# KiCad board hypjolin.kicad_pcb (continued)
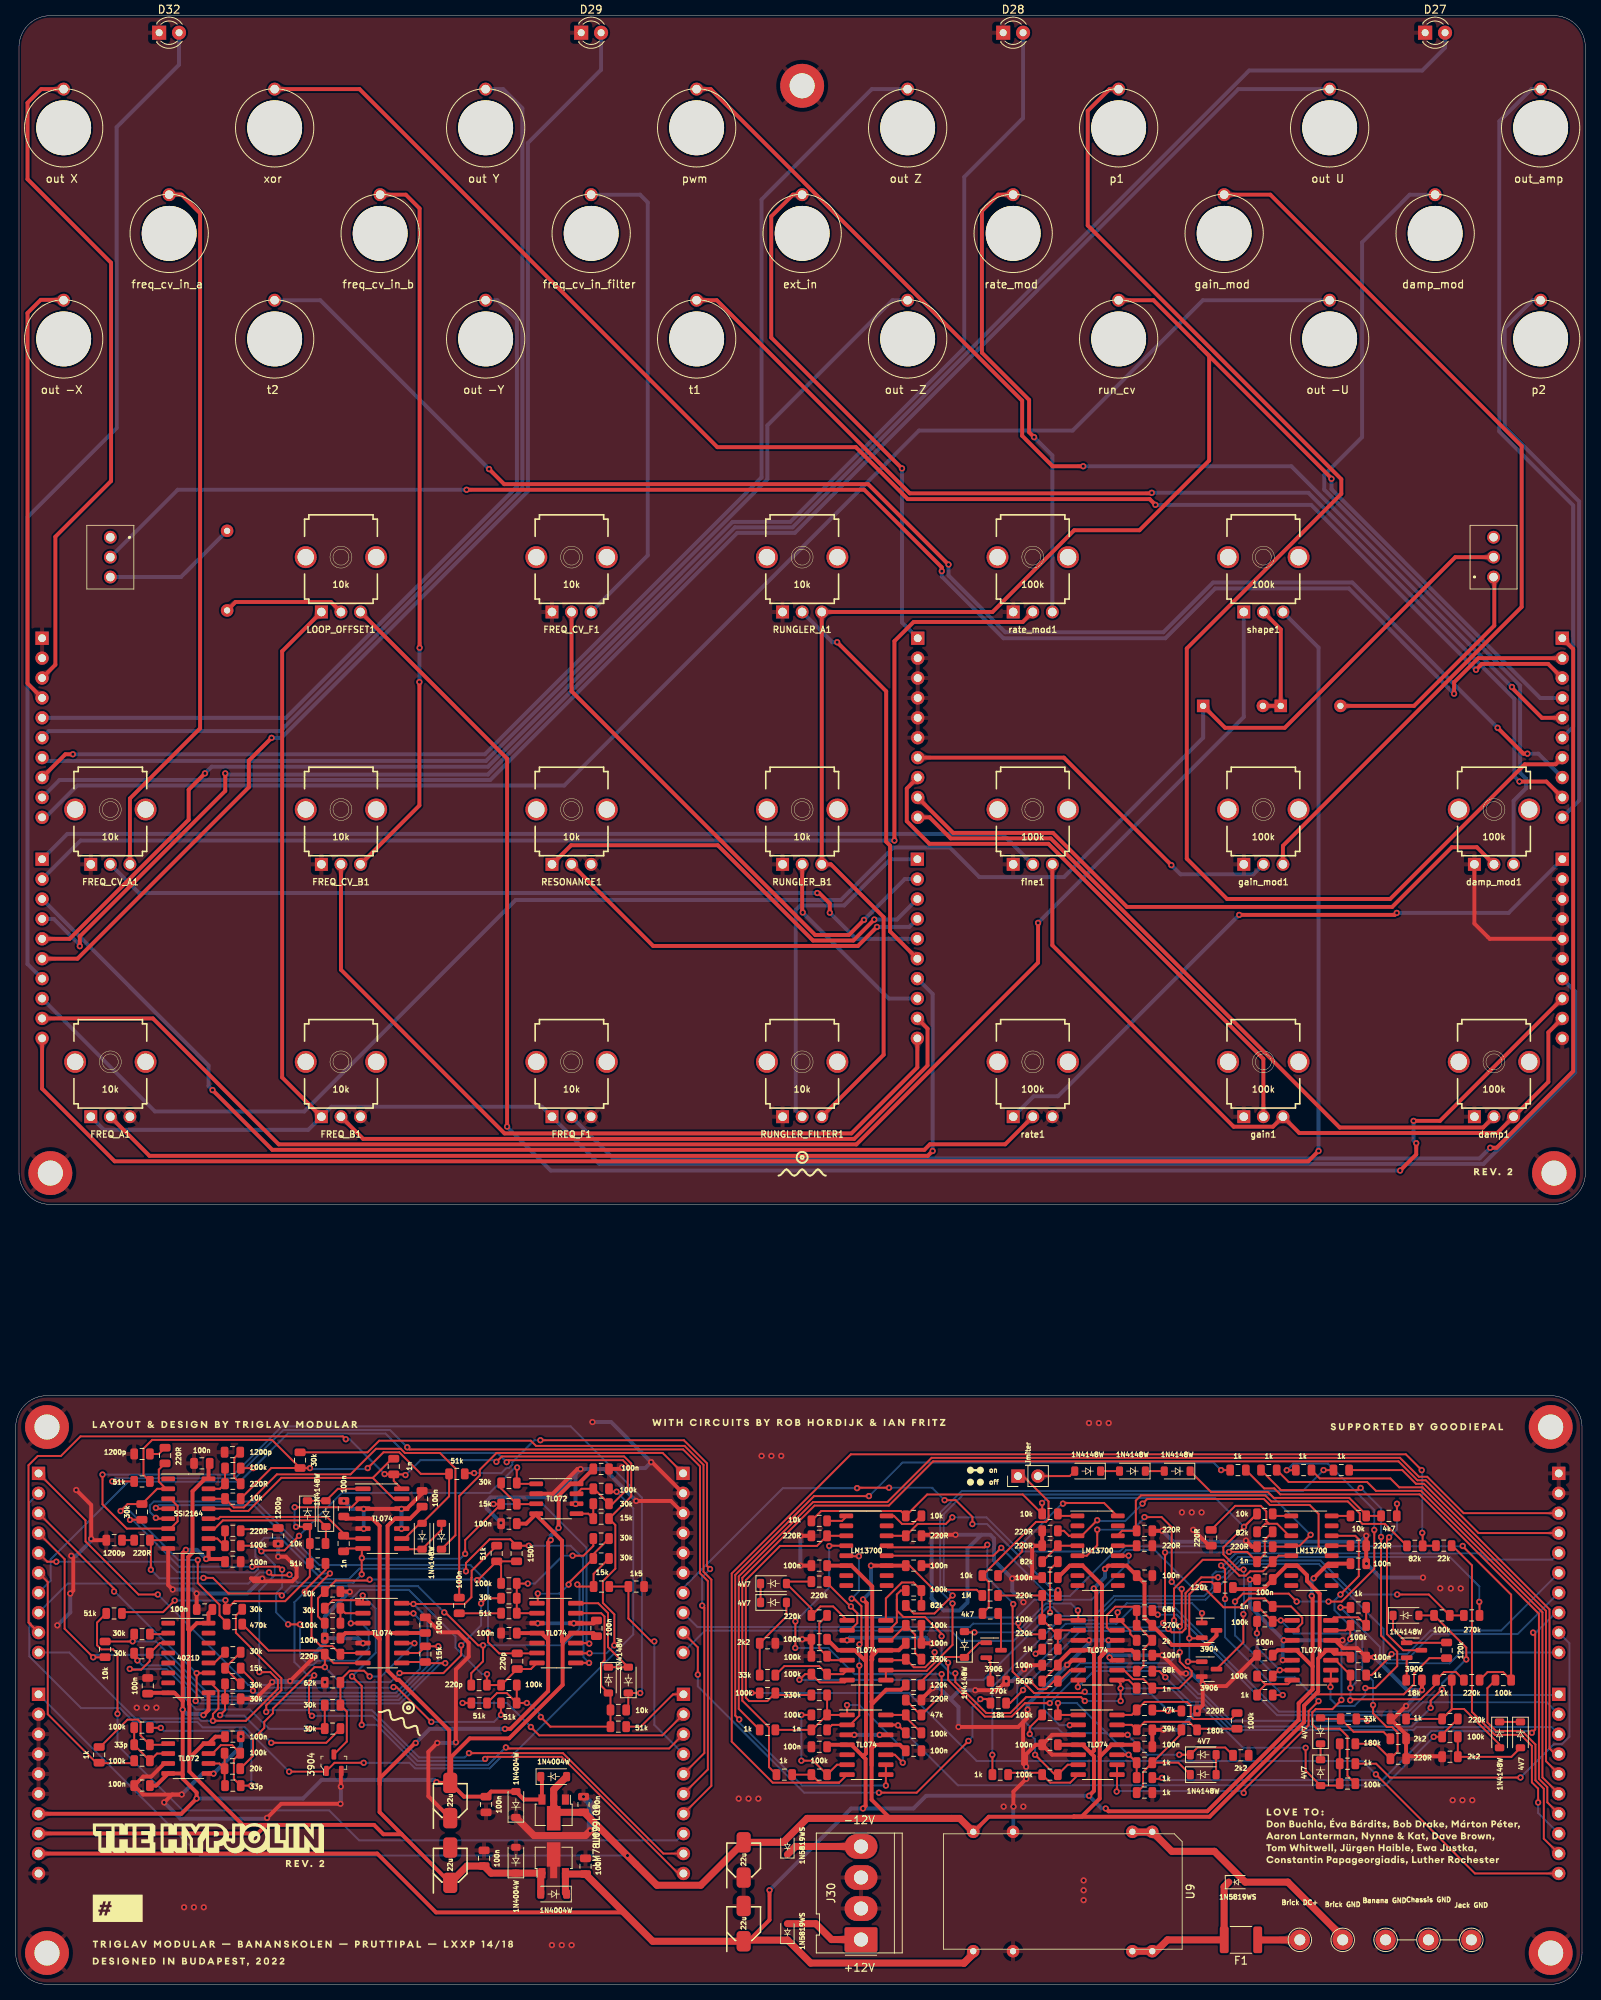
[diagram p0: board, top side]
## Routing (per net, layer and track width the routed paths; a pad name or vN(x,y) marks a point on that pad's centre or on a via; arc(x,y) is an arc through that point) (continued)
/P / freq_cv_b_pot: length 102.9
  Top w0.5: FREQ_CV_B1.2 41.54,129.47 62.42,108.59 106.71,108.59 115.13,117.01 J40.10
/P / freq_f_pot: length 190.5
  Top w0.5: v1(188.28,106.75) 189.09,106.75 198.87,116.53 198.87,170.38 J35.1
  Bottom w0.5: FREQ_F1.2 76.3,105.4 186.92,105.4 v1(188.28,106.75)
/P / gain_mod: length 117.3
  Top w0.5: gain_mod1.3 161.81,145.29 192.29,175.77 192.29,196.3 160.21,228.38 J23.1
/P / gain_mod_pot: length 50.8
  Top w0.5: v1(147.56,142.82) 133.85,156.54 J39.7
  Bottom w0.5: v1(147.56,142.82) 148.74,141.65 158.04,141.65 gain_mod1.2
/P / gain_pot: length 71.6
  Top w0.5: J39.8 113.78,152.6 113.78,148.44 116.68,145.54 131.87,145.54 159.31,118.09 gain1.2
/P / LEDU: length 232.2
  Top w0.5: v1(8.19,132.48) 8.19,133.72 26.76,152.3 v1(26.76,154.53)
  Bottom w0.5: v1(26.76,154.53) 26.91,154.38 60.29,154.38 91.84,185.93 99.2,185.93 157.5,244.22 179.6,244.22 182.51,247.14 D27.2 ; v1(8.19,132.48) 8.19,132.64 4.87,135.96 J37.4
/P / LEDX: length 129.5
  Bottom w0.5: D32.2 20.86,244.96 12.89,236.99 12.89,198.6 1.51,187.22 1.51,130.2 J37.7
/P / LEDY: length 151.1
  Top w0.5: v1(32.68,159.07) 29.77,156.16 29.77,152.76 7.89,130.88 J37.6
  Bottom w0.5: D29.2 74.75,244.32 65.4,234.97 65.4,190.53 33.93,159.07 v1(32.68,159.07)
/P / LEDZ: length 194.6
  Top w0.5: v1(24.17,154.53) 22.09,152.45 22.09,148.62 6.89,133.42 J37.5
  Bottom w0.5: D28.2 128.63,238.16 121.12,230.64 121.12,208.83 98.91,186.63 91.55,186.63 60.3,155.38 25.02,155.38 v1(24.17,154.53)
/P / offset_switch: length 208.4
  Top w0.5: v1(118.25,180.34) 118.25,180.82 108.35,190.73 v1(57.57,190.73) ; v1(183.67,164.7) 183.67,166.16 186.75,169.24 J35.2
  Bottom w0.5: v1(118.25,180.34) 118.25,179.65 126.13,171.78 146.8,171.78 153.15,178.13 170.24,178.13 v1(183.67,164.7) ; SW1.2 20.69,190.73 v1(57.57,190.73)
/P / out -U: length 191.7
  Bottom w0.5: 3.55,148.66 7.86,152.98 70.04,152.98 115.34,198.28 134.96,198.28 151.59,214.91 J15.1
/P / out -X: length 55.1
  Top w0.5: J31.4 1.51,166.02 1.51,213.28 3.2,214.96 6.08,214.96
/P / out -Y: length 99.2
  Bottom w0.5: J31.5 34.5,161.62 64,191.11 64,212.42 61.5,214.91 J20.1
/P / out -Z: length 138.5
  Bottom w0.5: 3.79,156.12 60.05,156.12 95.98,192.04 95.98,198.93 111.96,214.91 J18.1
/P / out U: length 201.8
  Bottom w0.5: J16.1 156.12,241.85 99.49,185.23 92.13,185.23 60.58,153.68 5.59,153.68 J31.9
/P / out X: length 86.8
  Top w0.5: J31.3 5.07,168.4 5.07,184.73 12.18,191.84 12.18,219.69 1.51,230.36 1.51,240.1 3.26,241.85 J22.1
/P / out Y: length 128.8
  Bottom w0.5: J19.1 62.25,241.85 64.7,239.41 64.7,190.82 33.8,159.93 4.22,159.93 J31.6
/P / out Z: length 167.7
  Top w0.5: J31.8 6.34,156.97 v1(7.31,156.97)
  Bottom w0.5: v1(7.31,156.97) 59.91,156.97 95.24,192.3 95.24,227.77 109.32,241.85 J17.1
/P / OUT_AMP: length 90.1
  Bottom w0.5: J35.6 198.87,160.47 198.87,188.73 189.43,198.17 189.43,237.74 193.55,241.85 J8.1
/P / P1: length 179.7
  Top w0.5: J35.7 196.63,155.69 192.69,155.69 175.5,138.5 154.68,138.5 149.53,143.65 149.53,170.47 169.27,190.21 169.27,192.07 136.89,224.45 136.89,239.08 139.66,241.85 J7.1
/P / P2: length 73.3
  Bottom w0.5: J35.10 199.63,151.08 199.63,189.23 190.13,198.73 190.13,211.35 193.69,214.91 J4.1
/P / PWM: length 146.5
  Top w0.5: J9.1 88.75,241.85 128.51,202.09 128.51,197.61 132.4,193.72 v1(136.31,193.72) ; J35.5 194.88,161.62 191.05,165.45 v1(191.05,165.56)
  Bottom w0.5: v1(191.05,165.56) 162.89,193.72 v1(136.31,193.72)
/P / rate_mod: length 59.8
  Top w0.5: J24.1 125.45,228.38 123.37,226.3 123.37,208.22 129.4,202.19 129.4,198.07 v1(130.04,197.43)
  Bottom w0.5: rate_mod1.3 132.37,195.1 v1(130.04,197.43)
/P / rate_mod_pot: length 155.5
  Top w0.5: v1(112.2,145.96) 112.2,171.4 114.66,173.85 128.59,173.85 rate_mod1.2
  Bottom w0.5: v1(112.2,145.96) 8.29,145.96 J37.2
/P / rate_pot: length 143
  Top w0.5: v1(25.14,114.12) 32.77,106.49 116.02,106.49 116.73,107.2 126.35,107.2 rate1.2
  Bottom w0.5: v1(25.14,114.12) 24.63,114.63 24.63,117.24 J37.3
/P / reso_pot_A: length 49.9
  Top w0.5: v1(109.98,134.94) 107.55,132.51 81.4,132.51 RESONANCE1.2
  Bottom w0.5: v1(109.98,134.94) 114.11,134.94 J40.4
/P / reso_pot_B: length 54.9
  Top w0.5: v1(109.63,135.88) 106.96,133.21 101.8,133.21 89.65,145.36 70.92,145.36 RESONANCE1.1
  Bottom w0.5: v1(109.63,135.88) 112.51,135.88 J40.3
/P / run_a_pot: length 50.7
  Top w0.5: J40.6 111.65,134.36 111.65,145.31 111.15,145.81 111.15,165.01 v1(104.89,171.27)
  Bottom w0.5: RUNGLER_A1.2 104.28,171.27 v1(104.89,171.27)
/P / run_b_pot: length 25.4
  Top w0.5: v1(100.5,136.78) 100.42,136.85 RUNGLER_B1.2
  Bottom w0.5: J40.8 111.48,125.8 v1(100.5,136.78)
/P / RUN_CV: length 222.8
  Top w0.5: v1(168.01,192.12) 168.01,192.18 151.1,209.1 ; J10.1 145.28,214.91 151.1,209.1 ; 151.1,209.1 152.39,207.81 152.39,194.45 143.49,185.56 135.15,185.56 124.72,175.13 RUNGLER_A1.3 RUNGLER_B1.3 104.09,142.92 110.83,136.19 110.83,118.62 RUNGLER_FILTER1.3
  Bottom w0.5: v1(168.01,192.12) 168.01,190.8 194.66,164.16 J35.4
/P / run_f_pot: length 44.9
  Bottom w0.5: J40.1 111.69,143.58 105.79,137.68 100.2,137.68 99.6,137.08 99.6,111.54 RUNGLER_FILTER1.2
/P / shape_IN1: length 244.5
  Top w0.5: J37.10 3.37,114.3 12.64,105.03 165.04,105.03 v1(166.36,106.35)
  Bottom w0.5: shape1.3 166.36,170.58 v1(166.36,106.35)
/P / shape_IN2: length 199.1
  Top w0.5: v1(130.55,135.46) 130.55,130.38 107.36,107.19 33.59,107.19 17.52,123.26 J37.9
  Bottom w0.5: shape1.1 156.81,161.72 v1(130.55,135.46)
/P / shape_OUT: length 228.4
  Top w0.5: D30.1 154.42,160.35 162.04,160.35 183.82,182.12 SW2.2
  Bottom w0.5: J37.8 17.78,111.39 36.86,111.39 63.84,138.38 105.38,138.38 112.08,145.07 119.28,145.07 123.05,141.3 133.85,141.3 151.63,159.08 D30.1
/P / T1: length 142.7
  Top w0.5: v1(192.01,153.49) 195.45,153.49 J35.9 ; J5.1 89.52,214.91 114.16,190.27 145,190.27 v1(145.07,190.34)
  Bottom w0.5: v1(192.01,153.49) 191.35,154.15 191.35,164.06 165.07,190.34 v1(145.07,190.34)
/P / T2: length 195.7
  Top w0.5: v1(119.12,181.18) 108.85,191.44 62.37,191.44 v1(60.44,193.37) ; v1(193.03,157.05) 192.52,157.05 v1(189.22,160.35)
  Bottom w0.5: v1(60.44,193.37) 38.9,214.91 J6.1 ; v1(189.22,160.35) 170.68,178.89 152.9,178.89 146.55,172.54 126.35,172.54 119.12,179.78 v1(119.12,181.18) ; J35.8 194.43,157.05 v1(193.03,157.05)
/P / XOR: length 196.2
  Top w0.5: J11.1 43.9,241.85 89.59,196.16 107.28,196.16 113.91,189.53 144.8,189.53 v1(145.53,188.8) ; v1(186.46,167.75) 187.21,168.5 195.67,168.5 J35.3
  Bottom w0.5: v1(145.53,188.8) 165.41,188.8 v1(186.46,167.75)
/PWM: length 96
  Top w0.25: R36.1 63.15,56.79 60.52,56.79 57.5,53.77 v1(57.5,52.7) ; 71.53,41.02 v1(73.22,41.02) ; v1(5.2,53.94) 4.03,53.94 J34.5 ; v1(65.52,55.97) 63.97,55.97
  Bottom w0.25: v1(57.5,52.7) 57.15,53.05 43.89,53.05 42.55,51.71 39.06,51.71 33.79,56.97 31.76,56.97 30.61,55.82 30.61,54.56 30.94,54.22 30.94,53 30.52,52.58 24.29,52.58 24.28,52.59 20.64,52.59 19.31,53.92 5.21,53.92 v1(5.2,53.94) ; v1(65.52,55.97) 70.86,55.97 72.44,54.4 72.44,43.65 72.51,43.58 72.51,41.73 v1(73.22,41.02)
/rate_mod_pot: length 58.6
  Top w0.25: 145.28,47.71 v1(145.82,47.17)
  Bottom w0.25: v1(145.82,47.17) 148.24,47.17 161.07,34.35 178.02,34.35 179.67,36 195.5,36 J36.2
/rate_pot: length 55.5
  Top w0.25: R60.2 146.03,39.97 v1(146.8,39.19)
  Bottom w0.25: J36.3 196.13,32.82 178.86,32.82 178.48,32.45 155.09,32.45 151.48,36.06 149.93,36.06 v1(146.8,39.19)
/reso_pot_A: length 27
  Top w0.25: R39.1 R40.2 78.24,46.68 81.16,43.76 v1(81.55,43.76)
  Bottom w0.25: J41.4 81.55,33.1 v1(81.55,43.76)
/reso_pot_B: length 70.3
  Top w0.25: R48.2 40.49,49.02 43.95,49.02 IC5.1 44.34,49.59 v1(44.31,49.62) ; v1(62.59,30.23) 62.72,30.1 83.44,30.1 J41.3 ; v1(42.95,39.29) 44.19,38.06 v1(44.19,33.11)
  Bottom w0.25: v1(44.31,49.62) 45.96,47.97 45.96,42.31 v1(42.95,39.29) ; v1(44.19,33.11) 46.08,33.11 51.18,28.01 60.33,28.01 62.55,30.23 v1(62.59,30.23)
/run_a_pot: length 126
  Top w0.25: R4.1 12.34,64.18 v1(12.33,64.18) ; v1(50,68.53) 50.27,68.26 85.22,68.26 87.38,66.1 87.38,52.45 88.38,51.45 88.38,27.42 J41.6
  Bottom w0.25: v1(50,68.53) 47.8,70.73 34.17,70.73 28.02,64.58 12.73,64.58 v1(12.33,64.18)
/run_b_pot: length 96.9
  Top w0.25: v1(13,34.53) 13,42.18 12.44,42.75 10.92,42.75 10.39,43.27 10.39,46.16 R6.1
  Bottom w0.25: J41.8 84.42,18.38 43.85,18.38 40.03,22.2 21.33,22.2 13,30.52 v1(13,34.53)
/RUN_CV: length 92.6
  Top w0.25: R35.1 58.22,52.78 58.22,51.9 58.19,51.88 58.19,49.41 57.32,48.54 49.38,48.54 ; J34.4 6.25,54.26 6.25,45.38 v1(9.9,41.73) 11.4,41.73
  Bottom w0.25: v1(9.9,41.73) 10.22,42.05 18.88,42.05 24.19,36.74 48.72,36.74 52.57,40.59 52.57,46.76 v1(50.79,48.54)
/run_f_pot: length 9
  Top w0.25: R42.1 79.81,32.88 83.94,37.01 J41.1
/shape_IN1: length 113.7
  Top w0.25: v1(173.68,26.8) 186.33,14.15 J36.10 ; R127.1 93.97,37.17 v1(93.95,37.19)
  Bottom w0.25: v1(93.95,37.19) 93.97,37.18 114.03,37.18 122.71,28.5 171.97,28.5 v1(173.68,26.8)
/shape_IN2: length 28.3
  Top w0.25: J36.9 195.12,18.59 195.12,24.97 194.05,26.04 194.05,30.61 192.33,32.33 189.01,32.33 187.92,33.43 187.92,37.79 R128.1
/shape_OUT: length 44.3
  Top w0.25: v1(194.4,23.2) 194.4,24.98 193.6,25.77 193.6,30.43 192.19,31.83 188.88,31.83 185.94,34.77 185.94,53.47 183.44,55.97
  Bottom w0.25: J36.8 194.4,21.86 v1(194.4,23.2)
/T1: length 139.1
  Top w0.25: v1(42.15,69.56) 41.79,69.93 8.27,69.93 5.77,67.43 2.82,67.43 1.64,66.25 1.64,46.17 J34.9 1.89,45.91 1.89,46.06 ; v1(47.11,65.11) 48.24,65.11 ; IC2.14 48.27,64.25 C3.2 49.68,65.08 v1(49.77,64.99) ; v1(76.44,43.26) 76.44,43.26 76.44,47.21 74.98,48.67 74.98,51.45 76.57,53.04 76.57,58.61 R13.1 78.6,62.27 78.6,66.45 77.69,67.36 62.07,67.36 v1(61.38,66.67) ; v1(73.27,42.25) 71.54,42.25
  Bottom w0.25: v1(42.15,69.56) 42.66,69.56 v1(47.11,65.11) ; v1(49.77,64.99) 51.68,66.89 61.17,66.89 v1(61.38,66.67) ; v1(76.44,43.26) 75.43,42.25 v1(73.27,42.25)
/T2: length 101.3
  Top w0.25: IC6.10 73.17,43.55 v1(73.24,43.48) ; v1(34.96,52.28) 34.87,52.2 32.72,52.2 v1(32.35,52.56) ; IC2.7 42.24,55.62 C4.2 ; 44.2,55.48 v1(44.2,54.41) 44.19,54.39 v1(44.19,52.32) ; v1(57.39,54.94) 57.39,56.69 R14.1 61.01,61.28 v1(61,61.29)
  Bottom w0.25: v1(57.39,54.94) 56.77,54.32 44.29,54.32 v1(44.2,54.41) ; v1(73.24,43.48) 72.89,43.83 72.89,55.7 67.3,61.29 v1(61,61.29) ; J34.8 6.64,51.14 29.72,51.14 31.14,52.56 v1(32.35,52.56) ; v1(44.19,52.32) 43.12,51.26 35.99,51.26 v1(34.96,52.28)
/V+: length 247.8
  Top w0.5: C30.1 25.51,31.6 IC9.8 ; C15.1 49.29,19.15 ; 49.29,19.15 46.47,21.97 46.47,44.03 ; 49.29,19.15 46.96,19.15 45.76,20.34 29,20.34 22.18,27.16 22.18,28.89 ; 2.95,19.25 30.9,19.25 31.99,20.34 ; 22.18,28.89 24.02,30.72 ; 22.18,28.89 22.18,35.75 22.13,35.81 22.13,45.09 22.18,45.14 ; IC6.4 C25.1 ; 67.99,43.59 67.99,56.37 v1(68.32,56.69) ; 67.99,43.59 67.99,43.95 67.12,44.82 ; 67.99,43.59 67.99,37.42 63.17,32.6 v1(62.47,32.6) ; 46.47,44.03 46.47,58.51 45.56,59.43 IC2.4 42.17,59.43 C17.1 ; 46.47,44.03 45.68,44.82 IC5.4 42.1,44.82 C27.1 ; 22.18,45.14 23.13,46.09 IC1.16 24.63,47.35 C23.1 ; 22.18,45.14 22.04,45.28 22.04,54.55 22.58,55.09 22.58,62.91 24.17,64.51 ; v1(51.08,30.8) 50.99,30.8 46.47,26.28 46.47,25.5 ; v1(69.32,58.24) 69.33,58.25 69.33,62.37 70.83,63.87 IC4.8 ; IC3.16 24.63,66.33 ; 71.85,63.87 C19.1
  Top w0.9: D8.2 67.05,14.04 IC7.1 D9.1 60.71,14.19 C13.1 57.63,15.09 C15.1
  Bottom w0.5: v1(51.08,30.8) 52.88,32.6 v1(62.47,32.6) ; v1(68.32,56.69) 68.32,57.24 v1(69.32,58.24)
/V-: length 224.1
  Top w0.5: C28.2 49.3,44.83 ; 16.97,37.2 IC1.8 20.28,37.2 21.33,36.16 ; IC5.11 47.52,44.82 47.49,44.79 ; C22.2 26.39,54.28 v1(24.32,54.28) 24.63,54.58 IC3.9 ; 55.62,25.83 55.62,29.03 57.97,31.38 63.01,31.38 69.84,38.21 69.84,43.7 ; IC1.9 24.63,35 v1(23.98,34.35) ; v1(21.73,55.45) 21.33,55.04 21.33,36.16 ; 67.2,26.36 IC8.3 64.89,23.58 D10.2 60.71,24.6 C14.2 57.25,23.95 C16.2 53.83,25.71 v1(53.74,25.81) ; 55.36,25.83 55.36,32.42 48.92,38.86 48.66,38.86 47.49,40.04 47.49,44.79 ; 21.33,36.16 21.33,26.76 ; 47.49,44.79 47.49,58.51 48.4,59.43 IC2.11 50.36,59.43 C18.2 ; C26.2 73.77,44.82 IC6.11 ; J32.7 21.16,21.77 v1(23.1,23.71) 23.1,24.47 21.33,26.25 21.33,26.76 ; 69.84,43.7 69.75,43.79 69.75,56.61 66.47,59.9 IC4.4 65.2,58.79 C20.2 ; 69.84,43.7 70.96,44.82 ; C31.2 17.93,25.36 IC9.4 21.18,26.91 21.33,26.76
  Bottom w0.5: v1(53.74,25.81) 53.46,26.08 39.06,26.08 36.69,23.71 v1(23.1,23.71) ; v1(23.98,34.35) 23.84,34.5 21.88,34.5 v1(21.33,35.05) ; v1(21.73,55.45) 23.16,55.45 24.32,54.28 v1(24.32,54.28)
/XOR: length 73.4
  Top w0.25: J34.3 12.56,50.48 v1(12.56,50.13) ; v1(22.98,36.16) 23.1,36.16 v1(23.1,39.71) 24.6,39.71 ; 52.47,40.98 v1(54.85,40.98) ; R22.1 49.41,41.13
  Bottom w0.25: v1(22.98,36.16) 23.29,35.84 49.09,35.84 54.23,40.98 v1(54.85,40.98) ; v1(12.56,50.13) 12.65,50.13 23.06,39.71 v1(23.1,39.71)
P / GND: length 19.6
  Top w0.5: J33.5 188.21,133.42 186.26,135.37 damp_mod1.1
P / V+: length 222.6
  Top w0.5: LOOP_OFFSET1.3 62.75,156.41 v1(62.75,109.46) ; J33.8 181.87,110.19 v1(178.49,110.19) ; v1(176.77,103.85) 178.83,105.9 v1(178.83,107.34)
  Bottom w0.5: v1(178.83,107.34) 178.49,107.68 v1(178.49,110.19) ; v1(62.75,109.46) 62.75,109.42 68.32,103.85 v1(176.77,103.85)
P / V-: length 280.5
  Top w0.5: LOOP_OFFSET1.1 34.03,170.12 34.03,115.73 FREQ_B1.1
  Bottom w0.5: J33.7 199.13,126.69 199.13,116.4 187.42,104.7 74.5,104.7 FREQ_F1.1 67.21,111.99 40.31,111.99 FREQ_B1.1 37.36,109.04 11.27,109.04 FREQ_A1.1
P / VCC: length 96.2
  Top w0.5: fine1.3 132.37,132.59 155.52,109.45 160.54,109.45 gain1.3 163.89,108.64 189.18,108.64 damp1.3 195.7,115.17 195.7,121.49 J33.9
P / VEE: length 83.7
  Top w0.5: v1(156.23,136.47) 176.09,136.47 v1(176.34,136.73)
  Bottom w0.5: v1(156.23,136.47) 133.08,113.33 129.98,113.33 rate1.1 ; v1(176.34,136.73) 190.62,136.73 J33.1
Net-(C1-Pad1): length 4.7
  Top w0.25: C1.1 27.92,67.15 27.92,64.69 R9.1
Net-(C2-Pad1): length 4.4
  Top w0.25: 28.94,58.08 33.36,58.08
Net-(C3-Pad1): length 31.1
  Top w0.25: 45.6,64.63 48.26,61.97 IC2.13 ; 45.6,64.63 48.05,67.08 ; 45.6,64.63 33.92,64.63 29.71,60.41 27.55,60.41 27.27,60.7 IC3.13
Net-(C4-Pad1): length 20.3
  Top w0.25: IC2.6 42.24,56.89 ; IC3.12 25.9,59.43 26.12,59.65 39.75,59.65 41.88,57.53
Net-(C5-Pad2): length 5.3
  Top w0.25: C5.2 61.97,47.35
Net-(C6-Pad2): length 1.6
  Top w0.25: R37.1 C6.2
Net-(C7-Pad1): length 84.7
  Top w0.25: v1(23.98,51.87) 25.18,51.87 27.18,49.87 33.73,49.87 v1(33.98,49.62) ; v1(71.71,51.03) 71.98,50.76 R39.2 73.79,52.38 R34.2 ; v1(54.73,47.46) 54.85,47.46 59.05,43.26 v1(59.68,43.26) 59.68,41.22 58.17,39.72 C7.1 ; 17.26,56.55 v1(17.26,52.91) ; IC3.7 19.27,56.68 R37.2
  Bottom w0.25: v1(33.98,49.62) 35.18,50.81 51.38,50.81 v1(54.73,47.46) ; v1(23.98,51.87) 23.93,51.82 18.35,51.82 v1(17.26,52.91) ; v1(59.68,43.26) 69.89,43.26 71.99,45.37 71.99,50.75 v1(71.71,51.03)
Net-(C7-Pad2): length 88.9
  Top w0.25: v1(30.22,53.3) 33.64,53.3 v1(34.03,52.92) ; v1(34.79,45.94) v1(36.31,45.94) ; v1(42.79,46.06) 42.82,46.09 IC5.3 ; IC6.7 65.79,40.23 C8.2 61.99,38.19 ; v1(14.59,59.27) 14.61,59.29 R47.1 ; v1(60.19,39.59) 60.17,39.57 C7.2 R45.2
  Bottom w0.25: v1(30.22,53.3) 20.88,53.3 14.91,59.27 v1(14.59,59.27) ; v1(36.31,45.94) 36.31,41.86 37.41,40.77 38.01,40.77 38.54,41.3 43.53,41.3 45.08,42.84 45.08,45.18 44.19,46.06 v1(42.79,46.06) 42.79,49.12 44.01,50.34 50.19,50.34 56.16,44.37 56.16,42.97 59.54,39.59 v1(60.19,39.59) ; v1(34.03,52.92) 34.03,50.68 33.26,49.92 33.26,47.46 v1(34.79,45.94)
Net-(C8-Pad1): length 65.6
  Top w0.25: 66.52,42.23 C8.1 61.73,42.23 60.31,43.65 v1(60.31,44.92) ; IC3.5 18,59.43 v1(17.9,59.53)
  Bottom w0.25: v1(17.9,59.53) 17.13,60.29 17.13,61.12 17.63,61.62 30.67,61.62 38.78,53.5 58.07,53.5 60.31,51.26 v1(60.31,44.92)
Net-(C9-Pad2): length 2.3
  Top w0.25: R49.1 18.28,67.68 C9.2
Net-(C10-Pad1): length 44
  Top w0.25: IC5.6 41.62,42.28 ; v1(17.9,60.79) 18,60.7 IC3.4 ; v1(40.12,52.43) 37.78,50.09 37.78,44.34 38.96,43.16 40.43,43.16 C10.1
  Bottom w0.25: v1(40.12,52.43) 39.09,52.43 30.38,61.15 18.25,61.15 v1(17.9,60.79)
Net-(C29-Pad1): length 12
  Top w0.25: 19.33,30.57 C29.1 15.95,31.76 15.95,33.45 15.61,33.78 14.28,33.78 11.04,30.54
Net-(C29-Pad2): length 7.7
  Top w0.25: R63.2 C29.2 ; IC9.2 18.05,29.45 R64.1 15.13,30.54
Net-(C32-Pad1): length 6.4
  Top w0.25: R66.2 26.02,28.18 IC9.6 ; R65.1 26.68,25.41
Net-(C32-Pad2): length 30.1
  Top w0.25: v1(18.53,32.73) 17.16,32.73 ; 25.12,29.45 26.2,30.52 27.65,30.52 R65.2 27.86,28.68 27.86,26.22 C32.2 30.08,25.36 v1(30.09,25.36)
  Bottom w0.25: v1(30.09,25.36) 30.09,31.33 29.07,32.35 18.91,32.35 v1(18.53,32.73)
Net-(C35-Pad1): length 82.2
  Top w0.25: v1(136.51,36.16) 136.01,36.66 129.03,36.66 126.99,34.62 123.93,34.62 119.98,38.57 v1(119.98,39.69) ; 168.81,25.36 D21.2 164.71,27.27 v1(164.71,30.19) ; R107.2 R109.2 R104.2 ; R92.2 114.68,40.47 116.13,40.47 117.34,41.67 v1(117.34,42.38) ; v1(141.09,36.16) 141.09,37.77 v1(141.08,37.77) 141.08,38.36 140.62,38.82 142.12,38.82 C35.1 ; 111.11,41.36 113.53,41.36
  Bottom w0.25: v1(141.08,37.77) 147.52,37.77 149.68,35.61 151.29,35.61 156.72,30.19 v1(164.71,30.19) ; v1(136.51,36.16) v1(141.09,36.16) ; v1(117.34,42.38) 117.34,41.75 119.4,39.69 v1(119.98,39.69)
Net-(C35-Pad2): length 47.5
  Top w0.25: v1(144.13,59.62) 146.32,59.62 147.61,58.34 v1(147.61,51.37) ; v1(148.63,45.66) 148.89,45.92 148.89,50.45 v1(148.88,50.46) ; 135.68,54.7 136.77,54.7 138.1,56.03 v1(138.1,58.03) ; v1(148.63,42.38) 148.63,41.19 149.43,40.4 149.73,40.4 150.15,39.97 150.15,39.37 148.59,37.81 C35.2 144,38.94 142.66,38.94 141.5,40.09 U3.9
  Bottom w0.25: v1(147.61,51.37) 148.52,50.46 v1(148.88,50.46) ; v1(138.1,58.03) 142.63,58.03 144.13,59.52 v1(144.13,59.62) ; v1(148.63,45.66) 148.63,45.66 v1(148.63,42.38)
Net-(C36-Pad1): length 86.4
  Top w0.25: v1(154.93,55.18) 157.26,55.18 C36.1 159.5,54.94 159.5,56.75 R112.2 ; v1(146.52,46.1) 146.76,46.34 v1(146.76,55.12) ; v1(142.1,29.3) U6.10 142.12,29.3 R90.1 R129.1 ; U6.1 R130.2 133.07,35.87 v1(133.09,35.89)
  Bottom w0.25: v1(146.52,46.1) 145.98,45.57 135.17,45.57 127.89,38.29 127.89,34.48 129.71,32.66 133.06,32.66 133.67,32.05 139.35,32.05 ; 139.35,32.05 135.51,35.89 v1(133.09,35.89) ; 139.35,32.05 v1(142.1,29.3) ; v1(154.93,55.18) 154.87,55.12 146.76,55.12 v1(146.76,55.12)
Net-(C36-Pad2): length 52.7
  Top w0.25: v1(147.91,46.44) 147.91,50.51 151.57,54.17 154.22,54.17 156.23,52.16 157.08,52.16 157.63,52.71 159.27,52.71 C36.2 161.26,54.7 162.98,54.7 ; U6.2 134.62,33.11 v1(134.58,33.07)
  Bottom w0.25: v1(147.91,46.44) 147.91,41.64 147.25,40.99 135.91,40.99 131.29,36.37 131.29,35.06 133.29,33.07 v1(134.58,33.07)
Net-(C37-Pad1): length 44.5
  Top w0.25: R137.1 168.54,41.36 ; v1(170.42,37.81) 170.42,39.44 ; U7.1 160.63,46.44 ; R138.2 158.6,48.22 ; R124.1 183.9,39.85 182.39,39.85 R98.1 ; v1(170.4,36.25) 170.53,36.37 179.41,36.37 181.36,38.32
  Bottom w0.25: v1(161.53,46.44) 163.2,44.78 170.71,44.78 171.13,44.36 171.13,38.52 v1(170.42,37.81) 170.42,36.27 v1(170.4,36.25)
Net-(C37-Pad2): length 65.1
  Top w0.25: v1(125.85,55.7) 124.84,54.7 111.11,54.7 ; 163.36,45.17 164.28,46.1 164.28,46.79 162.85,48.22 C37.2 159.48,49.25 157.49,49.25 156.37,48.12 154.23,48.12 v1(151.73,50.62)
  Bottom w0.25: v1(151.73,50.62) 150.23,50.62 145.43,55.42 141.8,55.42 141.15,54.77 139.82,54.77 134.61,49.55 131.99,49.55 v1(125.85,55.7)
Net-(C38-Pad1): length 27.5
  Top w0.25: 101.7,32.47 R146.2 ; R146.2 U8.1 106.16,35.63 v1(106.15,35.64) ; R146.2 R143.1 ; C38.1 R145.1 ; U8.10 112.26,29.3 v1(113.27,28.28)
  Bottom w0.25: v1(113.27,28.28) 113.27,30.09 107.73,35.64 v1(106.15,35.64)
Net-(C38-Pad2): length 27.6
  Top w0.25: v1(107.74,43.38) 107.99,43.63 107.99,48.26 106.91,49.34 106.87,49.34 v1(106.74,49.22) ; v1(107.67,54.63) 106.23,54.63 ; 106.54,33.11 107.72,34.29 v1(107.72,40.68) ; U8.2 104.24,33.11 C38.2
  Bottom w0.25: v1(107.67,54.63) 107.67,50.15 v1(106.74,49.22) ; v1(107.72,40.68) 107.72,43.37 v1(107.74,43.38)
Net-(D1-Pad1): length 6.8
  Top w0.25: 49.38,55.53 D1.1 54.38,58.01 D3.2
Net-(D1-Pad2): length 67.2
  Top w0.25: v1(44.95,65.88) 46.96,67.89 48.98,67.89 51.73,65.14 R1.2 55.34,62.27 D1.2 ; 49.67,56.89 51.61,58.83 ; R7.1 32.64,65.89 R3.2 32.73,69.48 17.43,69.48 16.32,68.37 16.32,64.99 R4.2 ; v1(37.58,65.88) 36.33,65.88
  Bottom w0.25: v1(37.58,65.88) 37.71,65.75 44.82,65.75 v1(44.95,65.88)
Net-(D2-Pad1): length 7.7
  Top w0.25: D2.1 D4.2 41.14,63.24 IC2.1
Net-(D2-Pad2): length 45.8
  Top w0.25: 37.56,58.11 R8.1 R2.2 37.56,52.05 34.41,48.89 27.96,48.89 R5.2 ; v1(20.31,48.98) 18.82,47.5 13.87,47.5 ; v1(35.62,60.88) 35.62,60.88 42.88,60.88 43.96,61.97 ; 26.79,48.01 v1(26.79,49.02) ; v1(35.8,58.38) 37.23,58.38
  Bottom w0.25: v1(20.31,48.98) 26.75,48.98 v1(26.79,49.02) ; v1(35.62,60.88) 35.62,58.56 v1(35.8,58.38)
Net-(D3-Pad1): length 47.2
  Top w0.25: R7.2 27.85,60.86 29.14,60.86 33.36,65.08 42.75,65.08 46.02,68.34 49.17,68.34 49.7,67.81 54.18,67.81 56.15,65.83 56.15,57.31 D3.1 ; IC3.14 26.72,61.97
Net-(D4-Pad1): length 17.9
  Top w0.25: 39.61,56.3 D4.1 38.82,59.2 26.46,59.2 25.42,58.16 IC3.11
Net-(D5-Pad1): length 15.1
  Top w0.25: IC6.14 74.38,48.63 75.63,47.38 75.63,43.04 78.2,40.47 ; 75.68,40.47 78.22,40.47
Net-(D5-Pad2): length 38.7
  Top w0.25: D5.2 74.76,38.1 74.76,40.93 75.18,41.35 75.18,46.94 74.77,47.36 IC6.13 ; R41.2 61.45,37.16 62.7,37.16 R43.2 v1(65.27,35.9) ; R45.1 63.98,35.92 ; v1(67.05,34.11) 68.27,32.88 R42.2 R46.1 75.95,36.9
  Bottom w0.25: v1(65.27,35.9) 65.52,35.9 67.05,34.38 v1(67.05,34.11)
Net-(D12-Pad2): length 10.2
  Top w0.9: D12.2 102.15,7.74 104.18,5.71 J30.1
Net-(D13-Pad1): length 9.8
  Top w0.9: D13.1 99.57,17.59 J30.4
Net-(D14-Pad1): length 10.3
  Top w0.25: D14.1 123.02,43.58 123.94,43.58 ; 121.09,41.78 118.76,41.78 115.65,38.67
Net-(D14-Pad2): length 20
  Top w0.25: R68.1 135.55,46.57 ; U3.1 135.68,47.67 v1(135.63,47.72) ; v1(122.42,44.92) 121.24,44.92
  Bottom w0.25: v1(135.63,47.72) 134.74,48.6 131.55,48.6 127.86,44.92 v1(122.42,44.92)
Net-(D15-Pad1): length 2.4
  Top w0.25: D17.1 D15.1
Net-(D15-Pad2): length 14.1
  Top w0.25: D15.2 101.61,47.95 R83.1 102.75,48.22 104.38,48.22 U4.1 ; R67.1 98.67,51.4
Net-(D16-Pad1): length 9.3
  Top w0.25: D16.1 175.87,45.33 177.61,43.58 182.67,43.58
Net-(D16-Pad2): length 68.1
  Top w0.25: 135.68,38.82 135.68,37.98 v1(135.63,37.94) ; v1(180.67,35.27) 180.67,36.21 v1(182.11,37.64) ; v1(185.22,41.46) 185.22,42.97 R72.1 D16.2
  Bottom w0.25: v1(135.63,37.94) 137.68,39.99 147.42,39.99 150.89,36.51 151.67,36.51 155.28,32.9 178.3,32.9 v1(180.67,35.27) ; v1(182.11,37.64) 182.11,38.37 185.19,41.46 v1(185.22,41.46)
Net-(D17-Pad2): length 10.7
  Top w0.25: D17.2 98.41,46.94 R78.1 R80.1
Net-(D18-Pad1): length 2.4
  Top w0.25: D18.1 D19.2
Net-(D18-Pad2): length 5
  Top w0.25: J14.2 134.59,64.86 D18.2
Net-(D19-Pad1): length 2.4
  Top w0.25: D19.1 D20.2
Net-(D20-Pad1): length 26.7
  Top w0.25: D20.1 152.62,62.84 159.87,62.84 160.64,62.08 170.28,62.08 172.44,59.92 ; R81.1 R97.2
Net-(D21-Pad1): length 2
  Top w0.25: D22.1 D21.1
Net-(D22-Pad2): length 9.8
  Top w0.25: 166.74,33.87 R93.2 170.83,32.23 174.64,32.23 R88.1
Net-(D23-Pad1): length 15.4
  Top w0.25: R90.2 148.85,32 ; R90.2 148.45,28.28 D23.1 ; R90.2 143.95,27.1 143.95,25.29 R91.1
Net-(D23-Pad2): length 2.5
  Top w0.25: D23.2 D24.2
Net-(D24-Pad1): length 16.7
  Top w0.25: v1(141.98,31.84) U6.12 ; v1(148.58,29.3) D24.1 150.9,30.22 154.44,30.22 R101.1
  Bottom w0.25: v1(148.58,29.3) 144.52,29.3 v1(141.98,31.84)
Net-(D25-Pad1): length 2.7
  Top w0.25: D25.1 D26.1
Net-(D25-Pad2): length 20.2
  Top w0.25: R98.2 183.36,35.09 R115.1 ; R115.1 183.41,35.14 184.93,35.14 189.47,30.6 D25.2 ; R115.1 R99.1
Net-(D26-Pad2): length 11
  Top w0.25: R110.2 R114.1 ; 184.15,29.03 190.98,29.03 D26.2
Net-(D30-Pad2): length 15.2
  Top w0.5: shape1.2 161.53,172.91 D31.1 D30.2
Net-(D31-Pad2): length 30
  Top w0.5: D31.2 178.55,163.14 188.8,173.39 188.8,179.49
Net-(D33-Pad1): length 19.9
  Top w0.9: F1.2 147.07,5.68 145.62,4.23 U9.22 ; D33.1 154.3,12.45 154.3,5.69
Net-(D33-Pad2): length 32.9
  Top w0.9: 142.61,19.43 145.17,19.43 147.62,16.98 153.06,16.98 D33.2 162.44,13.04 169.8,5.68
Net-(F1-Pad1): length 5.4
  Top w0.9: 163.95,5.67 158.6,5.67
Net-(FREQ_CV_A1-Pad3): length 91.7
  Top w0.5: J1.1 21.18,228.38 23.55,226.02 23.55,160.29 14.59,151.33 FREQ_CV_A1.3
Net-(FREQ_CV_B1-Pad3): length 92.6
  Top w0.5: FREQ_CV_B1.3 51.55,150.44 v1(51.55,166.19) ; v1(51.58,170.56) 51.58,226.62 49.81,228.38 J2.1
  Bottom w0.5: v1(51.58,170.56) 51.55,170.53 v1(51.55,166.19)
Net-(FREQ_CV_F1-Pad3): length 62.9
  Bottom w0.5: FREQ_CV_F1.3 80.71,182.36 80.71,227.39 79.72,228.38 J12.1
Net-(IC1-Pad2): length 2.2
  Top w0.25: R23.2 19.34,44.69
Net-(IC1-Pad3): length 38.9
  Top w0.25: IC1.3 18.42,43.55 R19.2 17.12,41.24 16.03,40.15 14.67,40.15 v1(14.56,40.25) ; v1(37.45,32.6) 37.49,32.63 R25.2 R20.2
  Bottom w0.25: v1(14.56,40.25) 19.27,40.25 21.66,37.86 21.66,36.45 23.03,35.08 29.89,35.08 32.37,32.6 v1(37.45,32.6)
Net-(IC1-Pad12): length 1.9
  Top w0.25: R24.2 25.36,41.01
Net-(IC3-Pad2): length 33.1
  Top w0.25: R49.2 18.28,65.68 18.28,64.16 19.2,63.24 ; IC3.2 18.07,63.24 R47.2 14.29,61.29 v1(13.4,60.4) ; v1(23.25,54.15) 23.25,51.21 26.02,48.44 26.02,47.08 26.93,46.17